# KiCad board Sydney-live-rail.kicad_pcb (continued)
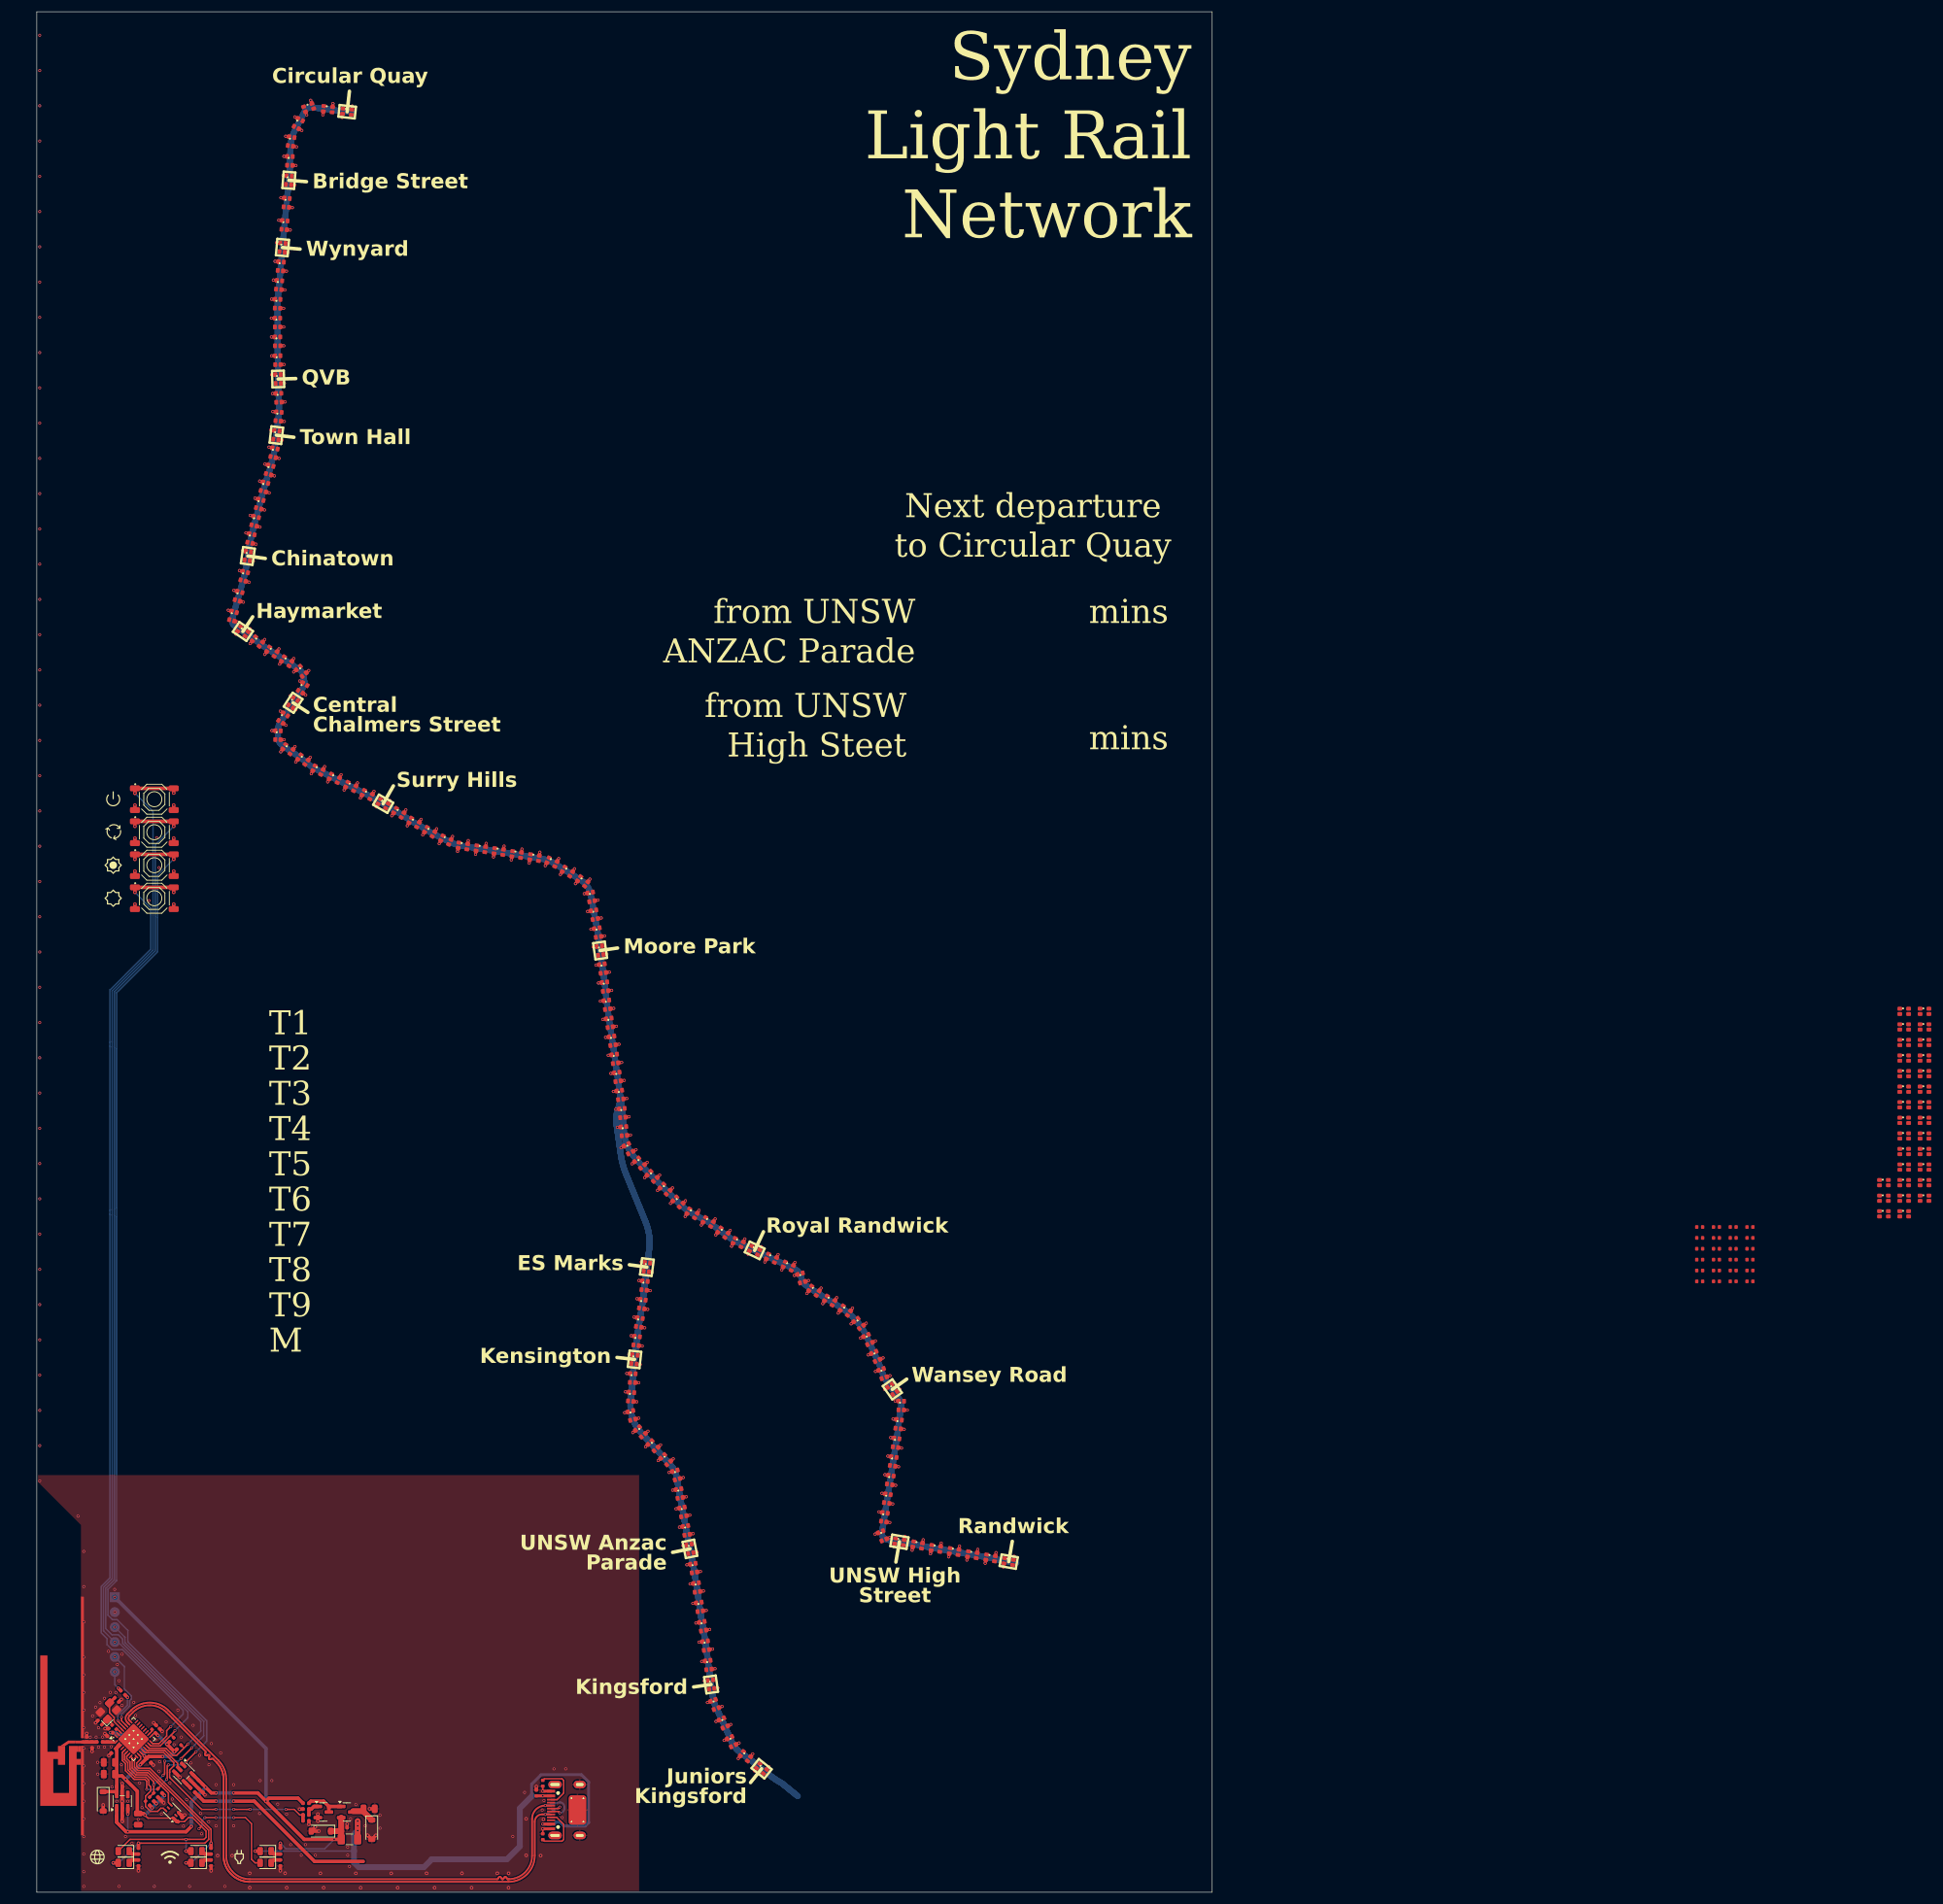
[diagram p0: board, top side]
## Nets (continued)
Net-(D138-DOUT): D138.1 D139.4
Net-(D139-DOUT): D139.1 D140.4
Net-(D140-DOUT): D140.1 D141.4
Net-(D141-DOUT): D141.1 D142.4
Net-(D142-DOUT): D142.1 D143.4
Net-(D143-DOUT): D143.1 D144.4
Net-(D144-DOUT): D144.1 D145.4
Net-(D145-DOUT): D145.1 D146.4
Net-(D146-DOUT): D146.1 D147.4
Net-(D147-DOUT): D147.1 D148.4
Net-(D148-DOUT): D148.1 D149.4
Net-(D149-DOUT): D149.1 D150.4
Net-(D150-DOUT): D150.1 D151.4
Net-(D151-DOUT): D151.1 D152.4
Net-(D152-DOUT): D152.1 D153.4
Net-(D153-DOUT): D153.1 D154.4
Net-(D154-DOUT): D154.1 D155.4
Net-(D155-DOUT): D155.1 D156.4
Net-(D156-DOUT): D156.1 D157.4
Net-(D157-DOUT): D157.1 D158.4
Net-(D158-DOUT): D158.1 D159.4
Net-(D159-DOUT): D159.1 D160.4
Net-(D160-DOUT): D160.1 D161.4
Net-(D161-DOUT): D161.1 D162.4
Net-(D162-DOUT): D162.1 D163.4
Net-(D163-DOUT): D163.1 D164.4
Net-(D164-DOUT): D164.1 D165.4
Net-(D165-DOUT): D165.1 D166.4
Net-(D166-DOUT): D166.1 D167.4
Net-(D167-DOUT): D167.1 D168.4
Net-(D168-DOUT): D168.1 D169.4
Net-(D169-DOUT): D169.1 D170.4
Net-(D170-DOUT): D170.1 D171.4
Net-(D171-DOUT): D171.1 D172.4
Net-(D172-DOUT): D172.1 D173.4
Net-(D173-DOUT): D173.1 D174.4
Net-(D174-DOUT): D174.1 D175.4
Net-(D175-DOUT): D175.1 D176.4
Net-(D176-DOUT): D176.1 D177.4
Net-(D177-DOUT): D177.1 D178.4
Net-(D178-DOUT): D178.1 D179.4
Net-(D179-DOUT): D179.1 D180.4
Net-(D180-DOUT): D180.1 D181.4
Net-(D181-DOUT): D181.1 D182.4
Net-(D182-DOUT): D182.1 D183.4
Net-(D183-DOUT): D183.1 D184.4
Net-(D184-DOUT): D184.1 D185.4
Net-(D185-DOUT): D185.1 D186.4
Net-(D186-DOUT): D186.1 D187.4
Net-(D187-DOUT): D187.1 D188.4
Net-(D188-DOUT): D188.1 D189.4
Net-(D189-DOUT): D189.1 D190.4
Net-(D190-DOUT): D190.1 D191.4
Net-(D191-DOUT): D191.1 D192.4
Net-(D192-DOUT): D192.1 D193.4
Net-(D193-DOUT): D193.1 D194.4
Net-(D194-DOUT): D194.1 D195.4
Net-(D195-DOUT): D195.1 D196.4
Net-(D196-DOUT): D196.1 D197.4
Net-(D197-DOUT): D197.1 D198.4
Net-(D198-DOUT): D198.1 D199.4
Net-(D199-DOUT): D199.1 D200.4
Net-(D200-DOUT): D200.1 D201.4
Net-(D201-DOUT): D201.1 D202.4
Net-(D202-DOUT): D202.1 D203.4
Net-(D203-DOUT): D203.1 D204.4
Net-(D204-DOUT): D204.1 D205.4
Net-(D205-DOUT): D205.1 D206.4
Net-(D206-DOUT): D206.1 D207.4
Net-(D207-DOUT): D207.1 D208.4
Net-(D208-DOUT): D208.1 D209.4
Net-(D209-DOUT): D209.1 D210.4
Net-(D210-DOUT): D210.1 D211.4
Net-(D211-DOUT): D211.1 D212.4
Net-(D212-DOUT): D212.1 D213.4
Net-(D213-DOUT): D213.1 D214.4
Net-(D214-DOUT): D214.1 D215.4
Net-(D215-DOUT): D215.1 D216.4
Net-(D216-DOUT): D216.1 D217.4
Net-(D217-DOUT): D217.1 D218.4
Net-(D218-DOUT): D218.1 D219.4
Net-(D219-DOUT): D219.1 D220.4
Net-(D220-DOUT): D220.1 D221.4
Net-(D221-DOUT): D221.1 D222.4
Net-(D222-DOUT): D222.1 D223.4
Net-(D223-DOUT): D223.1 D224.4
Net-(D224-DOUT): D224.1 D225.4
Net-(D225-DOUT): D225.1 D226.4
Net-(D226-DOUT): D226.1 D227.4
Net-(D227-DOUT): D227.1 D228.4
Net-(D228-DOUT): D228.1 D229.4
Net-(D229-DOUT): D229.1 D230.4
Net-(D230-DOUT): D230.1 D231.4
Net-(D231-DOUT): D231.1 D232.4
Net-(D232-DOUT): D232.1 D233.4
Net-(D233-DOUT): D233.1 D234.4
Net-(D234-DOUT): D234.1 D235.4
Net-(D235-DOUT): D235.1 D236.4
Net-(D236-DOUT): D236.1 D237.4
Net-(D237-DOUT): D237.1 D238.4
Net-(D238-DOUT): D238.1 D239.4
Net-(D239-DOUT): D239.1 D240.4
Net-(D240-DOUT): D240.1 D241.4
Net-(D241-DOUT): D241.1 D242.4
Net-(D242-DOUT): D242.1 D243.4
Net-(D243-DOUT): D243.1 D244.4
Net-(D244-DOUT): D244.1 D245.4
Net-(D245-DOUT): D245.1 D246.4
Net-(D246-DOUT): D246.1 D247.4
Net-(D247-DOUT): D247.1 D248.4
Net-(D248-DOUT): D248.1 D249.4
Net-(D249-DOUT): D249.1 D250.4
Net-(D250-DOUT): D250.1 D251.4
Net-(D251-DOUT): D251.1 D252.4
Net-(D252-DOUT): D252.1 D253.4
Net-(D253-DOUT): D253.1 D254.4
Net-(D254-DOUT): D254.1 D255.4
Net-(D255-DOUT): D255.1 D256.4
Net-(D256-DOUT): D256.1 D257.4
Net-(D257-DOUT): D257.1 D258.4
Net-(D258-DOUT): D258.1 D259.4
Net-(D259-DOUT): D259.1 D260.4
Net-(D260-DOUT): D260.1 D261.4
Net-(D261-DOUT): D261.1 D262.4
Net-(D262-DOUT): D262.1 D263.4
Net-(D263-DOUT): D263.1 D264.4
Net-(D264-DOUT): D264.1 D265.4
Net-(D265-DOUT): D265.1 D266.4
Net-(Q1-G): Q1.1 Q2.3 R16.2
Net-(Q2-B): C35.1 Q2.1 R18.2
Net-(U2-U0TXD): R7.2 U2.28
Net-(U2-XTAL_N): C19.2 U2.29 X1.3
Net-(U2-XTAL_P): L5.2 U2.30
Net-(U4-CC1): R13.1 U4.A5
Net-(U4-CC2): R14.1 U4.B5
Net-(U5-Y): R15.2 U5.4

Pads without a net: D266 1; U1 4; U2 4 19 20 21 22 23 24; U3 2 5; U4 A8 B8; U5 1

## Via types
v1: diameter 0.5, hole 0.3, Top to Bottom, 543 vias
v2: diameter 0.6, hole 0.3, Top to Bottom, 23 vias

## Routing (per net, layer and track width the routed paths; a pad name or vN(x,y) marks a point on that pad's centre or on a via; arc(x,y) is an arc through that point)
+3V3: length 104.2
  Top w0.25: D8.2 37.15,5 36.54,5.61 36.54,11.66 35.5,12.7 v1(33.5,12.7) ; 28,11.2 26.5,12.7 25.8,12.7 25.12,12.02 C16.1 ; 28,11.2 v1(27.6,10.8) ; 28,11.2 28.8,10.4 28.8,9.35 28.45,9 v1(25.4,9) 15.86,9 D10.2 ; v1(30.5,12.7) v1(28.6,12.7) ; U3.1 18.92,12.62 v1(18.4,13.14) ; U2.17 19.98,27.1 C8.1 ; 18.3,23.17 U2.11
  Top w0.6: R1.1 v1(22.17,25.17) v1(23.42,23.92) R2.1 ; v1(17.6,21.7) 18.67,22.77 C9.1 ; 14.06,25.07 13.6,24.61 13.6,17.05 ; C8.1 v1(20.6,26.7) ; v1(21.4,23.1) 19.04,23.1 C9.1 ; 13.4,20 C5.1 ; v1(18.4,13.14) 18.14,13.4 C17.1 17.1,13.55 17.1,17.2 v1(15.1,19.2) 14.5,19.8 13.54,19.8 ; C16.1 23.81,12.02 U3.1 ; R5.1 v1(21.73,16.47) ; C9.1 v1(18.28,23.19) ; U1.5 13.6,16.65 ; D1.1 13.59,17.12 ; R3.1 v1(19.63,14.37) ; R4.1 v1(20.33,15.07) ; D11.2 v1(25.37,7)
  Bottom w0.25: v1(28.6,12.7) 28.1,12.2 28.1,11.3 v1(27.6,10.8) ; v1(30.5,12.7) v1(33.5,12.7) ; v1(25.37,7) 25.4,7.03 v1(25.4,9)
  Bottom w0.6: v1(23.42,23.92) 22.6,23.1 v1(21.4,23.1) ; v1(21.73,16.47) v1(19.63,14.37) v1(18.4,13.14) ; v1(17.6,21.7) v1(15.1,19.2) ; v1(22.17,25.17) 20.64,26.7 v1(20.6,26.7) ; v1(12.54,27.14) 12.57,27.14 12.58,27.15 13.45,27.15 13.75,26.85 15.38,26.85 18.28,23.95 v1(18.28,23.19)
+5V: length 229.8
  Top w0.5: D129.2 v1(32.58,218.16) ; D128.2 v1(33.54,221.55) ; D130.2 v1(33.86,214.09) ; D127.2 v1(34.47,224.92) ; D126.2 v1(34.98,228.28) ; D125.2 v1(35.58,231.33) ; D131.2 v1(36.3,212.48) ; D124.2 v1(36.33,234.29) ; D123.2 v1(37.12,237.22) ; D122.2 v1(37.92,240.14) ; D132.2 v1(38.8,210.64) ; D121.2 v1(38.81,243.02) ; D120.2 v1(39.51,245.91) ; D119.2 v1(39.81,248.82) ; D113.2 v1(39.91,267.86) ; D114.2 v1(39.92,264.66) ; D115.2 v1(39.95,261.44) ; D112.2 v1(39.95,271.09) ; D116.2 v1(40,258.23) ; D138.2 v1(40,197.66) ; D117.2 v1(40.1,255.03) ; D118.2 v1(40.16,251.97) ; D111.2 v1(40.25,274.35) ; D110.2 v1(40.54,277.53) ; D109.2 v1(40.83,280.72) ; D133.2 v1(41.32,208.99) ; D108.2 v1(41.17,284.54) ; D139.2 v1(41.51,194.07) ; D137.2 v1(41.44,200.99) ; D107.2 v1(41.54,288.35) ; D106.2 v1(41.91,292.15) ; D105.2 v1(42.04,295.4) ; D104.2 v1(42.35,298.82) ; D136.2 v1(43.14,203.61) ; D134.2 v1(43.71,207.65) ; D140.2 v1(44.06,192.35) ; D103.2 v1(43.92,302.11) ; D135.2 v1(44.74,206.12) ; D102.2 v1(46.6,304.93) ; D141.2 v1(46.7,190.34) ; D142.2 v1(49.5,188.95) ; D101.2 v1(50.4,304.38) ; D143.2 v1(52.29,187.57) ; D100.2 v1(53.67,303.95) ; D144.2 v1(55.07,186.2) ; D145.2 v1(57.76,184.69) ; D146.2 v1(60.41,183.18) ; D147.2 v1(63.04,181.48) ; D148.2 v1(65.68,179.93) ; D149.2 v1(68.47,178.44) ; D150.2 v1(71.6,177.13) ; D151.2 v1(74.65,176.64) ; D152.2 v1(77.7,176.17) ; D153.2 v1(80.74,175.68) ; D154.2 v1(83.78,175.15) ; D155.2 v1(86.52,174.69) ; D156.2 v1(89.09,173.19) ; D157.2 v1(91.65,171.63) ; D158.2 v1(93.15,169.92) ; D159.2 v1(93.72,166.89) ; D160.2 v1(94.29,163.88) ; D161.2 v1(94.71,160.85) ; D162.2 v1(95.14,157.78) ; D163.2 v1(95.56,154.73) ; D164.2 v1(95.9,151.63) ; D165.2 v1(96.31,148.54) ; D166.2 v1(96.78,145.47) ; D167.2 v1(97.23,142.42) ; D168.2 v1(97.66,139.34) ; D169.2 v1(98.1,136.26) ; D170.2 v1(98.53,133.25) ; D171.2 v1(98.8,130.17) ; D172.2 v1(99.41,126.71) ; D216.2 v1(100.02,81.6) ; D215.2 v1(100.15,85.16) ; D214.2 v1(100.38,88.29) ; D213.2 v1(100.75,91.54) ; D212.2 v1(101.12,94.7) ; D173.2 v1(101.29,123.96) ; D217.2 v1(101.42,78.22) ; D211.2 v1(101.61,97.87) ; D210.2 v1(102.12,101) ; D209.2 v1(102.45,104.09) ; D208.2 v1(102.87,107.26) ; D174.2 v1(103.43,121.61) ; D218.2 v1(103.58,75.82) ; D175.2 v1(105.63,119.42) ; D219.2 v1(105.73,73.46) ; D220.2 v1(107.58,71.44) ; D176.2 v1(107.83,117.23) ; D221.2 v1(108.19,68.42) ; D222.2 v1(108.77,65.25) ; D223.2 v1(109.35,62.12) ; D224.2 v1(109.96,58.96) ; D177.2 v1(110.33,115) ; D225.2 v1(110.62,55.73) ; D226.2 v1(111.16,52.46) ; D227.2 v1(111.63,49.16) ; D228.2 v1(112.15,45.81) ; D229.2 v1(112.7,42.57) ; D178.2 v1(113.07,113.54) ; D230.2 v1(113.14,39.28) ; D231.2 v1(113.59,35.95) ; D232.2 v1(114.11,32.28) ; D179.2 v1(115.52,111.86) ; D233.2 v1(115.56,29.06) ; D234.2 v1(116.95,25.85) ; D180.2 v1(118.22,109.93) ; D235.2 v1(119.36,22.75) ; D181.2 v1(121.03,108.6) ; D236.2 v1(122.09,20.67) ; D182.2 v1(123.89,107.25) ; D183.2 v1(126.75,105.91) ; D184.2 v1(128.89,104.97) ; D185.2 v1(131.04,101.9) ; D186.2 v1(133.74,100.17) ; D187.2 v1(136.37,98.56) ; D188.2 v1(138.56,96.73) ; D189.2 v1(140.17,94.3) ; D190.2 v1(141.47,91.44) ; D200.2 v1(142.63,60.94) ; D191.2 v1(142.7,88.63) ; D199.2 v1(143.31,64.72) ; D198.2 v1(143.8,67.89) ; D192.2 v1(144.28,85.58) ; D197.2 v1(144.3,71.05) ; D196.2 v1(144.8,74.22) ; D195.2 v1(145.29,77.37) ; D201.2 v1(145.86,58.73) ; D194.2 v1(145.7,80.53) ; D193.2 v1(146.07,83.6) ; D202.2 v1(148.94,58.21) ; D203.2 v1(152.06,57.6) ; D204.2 v1(155.17,57.07) ; D205.2 v1(158.27,56.53) ; D206.2 v1(161.37,55.98) ; D207.2 v1(164.46,55.36)
  Top w1: D4.1 55.5,13.8 53.83,13.8
  Bottom w0.5: 33.59,217.88 v1(32.58,218.16) ; 34.45,214.96 v1(33.86,214.09) ; 34.55,221.26 v1(33.54,221.55) ; 35.49,224.65 v1(34.47,224.92) ; 36.02,228.13 v1(34.98,228.28) ; 36.61,231.09 v1(35.58,231.33) ; 36.95,213.3 v1(36.3,212.48) ; 37.35,234.02 v1(36.33,234.29) ; 38.14,236.94 v1(37.12,237.22) ; 38.94,239.86 v1(37.92,240.14) ; 39.38,211.52 v1(38.8,210.64) ; 39.82,242.75 v1(38.81,243.02) ; 40.53,245.68 v1(39.51,245.91) ; 40.85,248.69 v1(39.81,248.82) ; 40.96,267.86 v1(39.91,267.86) ; 40.97,264.66 v1(39.92,264.66) ; 41,261.46 v1(39.95,261.44) ; 41,271.06 v1(39.95,271.09) ; 41.05,258.26 v1(40,258.23) ; 41.05,197.64 v1(40,197.66) ; 41.15,255.06 v1(40.1,255.03) ; 41.21,251.87 v1(40.16,251.97) ; 41.3,274.25 v1(40.25,274.35) ; 41.58,277.44 v1(40.54,277.53) ; 41.87,280.63 v1(40.83,280.72) ; 41.89,209.87 v1(41.32,208.99) ; 42.11,194.93 v1(41.51,194.07) ; 42.22,284.44 v1(41.17,284.54) ; 42.32,200.42 v1(41.44,200.99) ; 42.58,288.26 v1(41.54,288.35) ; 42.95,292.07 v1(41.91,292.15) ; 43.09,295.37 v1(42.04,295.4) ; 43.39,298.66 v1(42.35,298.82) ; 44.02,203.04 v1(43.14,203.61) ; 44.51,208.34 v1(43.71,207.65) ; 44.69,193.19 v1(44.06,192.35) ; 44.85,301.63 v1(43.92,302.11) ; 45.64,205.57 v1(44.74,206.12) ; 46.97,303.94 v1(46.6,304.93) ; 47.17,191.28 v1(46.7,190.34) ; 49.96,189.89 v1(49.5,188.95) ; 50.29,303.34 v1(50.4,304.38) ; 52.76,188.51 v1(52.29,187.57) ; 53.56,302.91 v1(53.67,303.95) ; 55.56,187.12 v1(55.07,186.2) ; 58.29,185.6 v1(57.76,184.69) ; 60.97,184.07 v1(60.41,183.18) ; 63.56,182.4 v1(63.04,181.48) ; 66.21,180.83 v1(65.68,179.93) ; 68.93,179.38 v1(68.47,178.44) ; 71.77,178.17 v1(71.6,177.13) ; 74.82,177.68 v1(74.65,176.64) ; 77.86,177.21 v1(77.7,176.17) ; 80.91,176.71 v1(80.74,175.68) ; 83.95,176.19 v1(83.78,175.15) ; 86.99,175.63 v1(86.52,174.69) ; 89.66,174.08 v1(89.09,173.19) ; 92.29,172.46 v1(91.65,171.63) ; 94.18,170.11 v1(93.15,169.92) ; 94.75,167.08 v1(93.72,166.89) ; 95.32,164.05 v1(94.29,163.88) ; 95.74,160.99 v1(94.71,160.85) ; 96.18,157.92 v1(95.14,157.78) ; 96.61,154.85 v1(95.56,154.73) ; 96.94,151.77 v1(95.9,151.63) ; 97.35,148.69 v1(96.31,148.54) ; 97.82,145.63 v1(96.78,145.47) ; 98.27,142.56 v1(97.23,142.42) ; 98.7,139.49 v1(97.66,139.34) ; 99.14,136.42 v1(98.1,136.26) ; 99.57,133.35 v1(98.53,133.25) ; 99.84,130.26 v1(98.8,130.17) ; 100.34,127.2 v1(99.41,126.71) ; 101.04,81.86 v1(100.02,81.6) ; 101.2,85.06 v1(100.15,85.16) ; 101.43,88.24 v1(100.38,88.29) ; 101.79,91.42 v1(100.75,91.54) ; 102.08,124.64 v1(101.29,123.96) ; 102.17,94.57 v1(101.12,94.7) ; 102.22,78.91 v1(101.42,78.22) ; 102.65,97.7 v1(101.61,97.87) ; 103.16,100.83 v1(102.12,101) ; 103.49,103.98 v1(102.45,104.09) ; 103.91,107.12 v1(102.87,107.26) ; 104.17,122.36 v1(103.43,121.61) ; 104.35,76.53 v1(103.58,75.82) ; 106.37,120.17 v1(105.63,119.42) ; 106.51,74.16 v1(105.73,73.46) ; 108.57,117.98 v1(107.83,117.23) ; 108.6,71.73 v1(107.58,71.44) ; 109.23,68.6 v1(108.19,68.42) ; 109.8,65.45 v1(108.77,65.25) ; 110.38,62.31 v1(109.35,62.12) ; 110.86,115.9 v1(110.33,115) ; 110.99,59.17 v1(109.96,58.96) ; 111.65,55.9 v1(110.62,55.73) ; 112.2,52.61 v1(111.16,52.46) ; 112.67,49.3 v1(111.63,49.16) ; 113.18,46.01 v1(112.15,45.81) ; 113.6,114.44 v1(113.07,113.54) ; 113.74,42.71 v1(112.7,42.57) ; 114.19,39.41 v1(113.14,39.28) ; 114.63,36.1 v1(113.59,35.95) ; 115.1,32.65 v1(114.11,32.28) ; 116.16,112.69 v1(115.52,111.86) ; 116.52,29.49 v1(115.56,29.06) ; 117.9,26.3 v1(116.95,25.85) ; 118.67,110.88 v1(118.22,109.93) ; 119.99,23.59 v1(119.36,22.75) ; 121.47,109.55 v1(121.03,108.6) ; 122.75,21.49 v1(122.09,20.67) ; 124.33,108.2 v1(123.89,107.25) ; 127.19,106.86 v1(126.75,105.91) ; 129.9,105.25 v1(128.89,104.97) ; 131.62,102.77 v1(131.04,101.9) ; 134.28,101.07 v1(133.74,100.17) ; 136.98,99.41 v1(136.37,98.56) ; 139.39,97.37 v1(138.56,96.73) ; 141.12,94.74 v1(140.17,94.3) ; 142.43,91.87 v1(141.47,91.44) ; 143.6,61.34 v1(142.63,60.94) ; 143.69,88.97 v1(142.7,88.63) ; 144.34,64.56 v1(143.31,64.72) ; 144.84,67.72 v1(143.8,67.89) ; 145.13,86.19 v1(144.28,85.58) ; 145.34,70.89 v1(144.3,71.05) ; 145.84,74.05 v1(144.8,74.22) ; 146.04,59.77 v1(145.86,58.73) ; 146.33,77.22 v1(145.29,77.37) ; 146.74,80.4 v1(145.7,80.53) ; 147.12,83.57 v1(146.07,83.6) ; 149.15,59.24 v1(148.94,58.21) ; 152.24,58.64 v1(152.06,57.6) ; 155.35,58.1 v1(155.17,57.07) ; 158.45,57.56 v1(158.27,56.53) ; 161.56,57.02 v1(161.37,55.98) ; 164.64,56.39 v1(164.46,55.36)
GND: length 126.4
  Top w0.25: R14.2 v1(86.1,17.2) ; R13.2 v1(86.1,10.8)
  Top w0.5: D129.3 v1(34.2,216.15) ; D128.3 v1(35.15,219.53) ; D127.3 v1(36.12,222.93) ; D130.3 v1(36.28,215) ; D126.3 v1(36.84,226.5) ; D125.3 v1(37.3,229.4) ; D124.3 v1(37.98,232.31) ; D123.3 v1(38.76,235.22) ; D131.3 v1(38.78,213.18) ; D122.3 v1(39.55,238.13) ; D121.3 v1(40.44,241.02) ; D120.3 v1(41.23,243.99) ; D132.3 v1(41.21,211.58) ; D119.3 v1(41.72,247.08) ; D112.3 v1(42,269.53) ; D113.3 v1(42.02,266.36) ; D114.3 v1(42.03,263.17) ; D138.3 v1(42.07,196.12) ; 41.47,259.97 v1(42.07,259.98) ; D118.3 v1(42.12,250.28) ; D116.3 v1(42.13,256.79) ; D111.3 v1(42.2,272.66) ; D117.3 v1(42.25,253.6) ; D137.3 v1(42.39,198.59) ; D110.3 v1(42.49,275.85) ; D109.3 v1(42.78,279.04) ; D108.3 v1(43.13,282.85) ; D107.3 v1(43.5,286.67) ; D106.3 v1(43.88,290.49) ; D133.3 v1(43.72,209.94) ; D105.3 v1(44.1,293.84) ; D136.3 v1(44.09,201.21) ; D139.3 v1(43.94,194.95) ; D104.3 v1(44.19,297.01) ; D103.3 v1(45.09,299.81) ; D135.3 v1(45.76,203.75) ; D102.3 v1(45.92,302.44) ; D134.3 v1(46.28,207.89) ; D140.3 v1(46.52,193.12) ; D141.3 v1(48.98,191.55) ; D101.3 v1(48.68,302.46) ; D142.3 v1(51.77,190.17) ; D100.3 v1(51.96,302.03) ; D143.3 v1(54.57,188.78) ; D144.3 v1(57.38,187.35) ; D145.3 v1(60.11,185.77) ; D146.3 v1(62.79,184.17) ; D147.3 v1(65.38,182.57) ; D148.3 v1(68.04,180.96) ; D149.3 v1(70.74,179.66) ; D150.3 v1(73.42,178.96) ; D151.3 v1(76.46,178.48) ; D152.3 v1(79.51,178.01) ; D153.3 v1(82.56,177.51) ; D154.3 v1(85.6,176.98) ; D155.3 v1(88.8,175.9) ; D156.3 v1(91.49,174.16) ; D157.3 v1(94.12,172.4) ; D158.3 v1(95.49,168.84) ; D159.3 v1(96.05,165.8) ; D160.3 v1(96.61,162.74) ; D161.3 v1(97,159.66) ; D162.3 v1(97.43,156.59) ; D163.3 v1(97.82,153.48) ; D164.3 v1(98.17,150.41) ; D165.3 v1(98.62,147.37) ; D166.3 v1(99.08,144.3) ; D167.3 v1(99.51,141.21) ; D168.3 v1(99.95,138.15) ; D169.3 v1(100.4,135.08) ; D170.3 v1(100.76,131.95) ; D171.3 v1(101.02,128.85) ; D172.3 v1(101.96,126.35) ; D215.3 v1(102.1,83.46) ; D214.3 v1(102.42,86.7) ; D216.3 v1(102.43,80.67) ; D213.3 v1(102.67,89.81) ; D212.3 v1(103.01,92.95) ; D211.3 v1(103.44,96.05) ; D210.3 v1(103.96,99.18) ; D173.3 v1(103.86,124.2) ; D217.3 v1(103.99,78.45) ; D209.3 v1(104.38,102.38) ; D208.3 v1(104.75,105.5) ; D174.3 v1(105.98,122.04) ; D218.3 v1(106.14,76.12) ; D175.3 v1(108.17,119.85) ; D219.3 v1(108.29,73.76) ; D220.3 v1(110.01,70.56) ; D221.3 v1(110.51,67.29) ; D176.3 v1(110.37,117.67) ; D222.3 v1(111.12,64.18) ; D223.3 v1(111.68,61.02) ; D224.3 v1(112.31,57.91) ; D225.3 v1(112.93,54.59) ; D177.3 v1(112.69,116.04) ; D226.3 v1(113.45,51.27) ; D227.3 v1(113.92,47.97) ; D228.3 v1(114.49,44.72) ; D229.3 v1(114.99,41.38) ; D230.3 v1(115.41,38.05) ; D178.3 v1(115.43,114.59) ; D231.3 v1(115.88,34.76) ; D232.3 v1(116.61,31.62) ; D233.3 v1(118.09,28.55) ; D179.3 v1(117.98,112.61) ; D234.3 v1(119.49,25.4) ; D180.3 v1(120.48,111.17) ; D235.3 v1(121.82,23.54) ; D181.3 v1(123.28,109.86) ; D236.3 v1(124.57,21.37) ; D182.3 v1(126.14,108.52) ; D183.3 v1(129,107.18) ; D184.3 v1(131.31,104.09) ; D185.3 v1(133.45,102.81) ; D186.3 v1(136.11,101.18) ; D187.3 v1(138.81,99.39) ; D188.3 v1(141.14,96.84) ; D189.3 v1(142.7,93.82) ; D190.3 v1(144,90.93) ; D199.3 v1(145.15,62.91) ; D200.3 v1(145.14,60.36) ; D191.3 v1(145.17,87.9) ; D198.3 v1(145.65,66.08) ; D197.3 v1(146.15,69.24) ; D196.3 v1(146.64,72.41) ; D192.3 v1(146.86,85.57) ; D195.3 v1(147.15,75.58) ; D194.3 v1(147.59,78.78) ; D193.3 v1(148.13,82.05) ; D201.3 v1(147.7,60.55) ; D202.3 v1(150.83,59.97) ; D203.3 v1(153.9,59.42) ; D204.3 v1(157.01,58.88) ; D205.3 v1(160.11,58.34) ; D206.3 v1(163.21,57.79) ; D207.3 v1(166.3,57.17) ; v1(86.1,10.8) U4.B12A1 ; v1(86.1,17.2) U4.A12B1
  Top w0.6: C4.2 v1(12.27,23.27) ; D13.1 v1(8.5,27.03) ; v1(47.82,12.1) Q2.2 v1(47.82,13.3) ; C2.2 v1(52.8,11.6) ; S3.3 v1(16.7,168.15) ; v1(24.35,19.55) U5.3 ; S1.3 v1(16.7,185) ; C20.2 v1(9.99,28.84) ; v1(41.44,3.65) R9.2 ; S2.3 v1(16.7,173.77) ; R22.2 v1(17.3,3.65) ; C19.1 v1(14.4,32.83) ; C13.2 v1(85,18) ; C36.2 v1(11.57,27) ; R23.2 v1(29.66,3.65) ; 25.82,19.36 v1(28.61,16.56) ; C35.2 v1(44.7,14.15) ; v1(11.3,14.86) D1.2 ; C7.2 v1(11.61,27.85) ; v1(57.71,9.71) D4.2 v1(56.29,9.71) ; C8.2 v1(21.33,27.38) ; S4.4 v1(23.3,179.38) ; v1(48,10.4) D5.2 v1(47.41,11.11) ; S1.4 v1(23.3,185) ; v1(14.54,18.5) C3.2 v1(14.54,15.5) U1.2 14.54,12.06 v1(14.55,12.05) ; U3.3 24.73,12.94 C16.2 v1(25.16,13.15) ; C9.2 v1(19.84,21.64) ; C37.2 v1(9.4,23.97) ; R17.2 v1(46.3,11.55) ; S3.4 v1(23.3,168.15) ; v1(21.6,15.2) C14.2 ; S4.3 v1(16.7,179.38) ; C18.2 v1(56.6,14.2) ; C6.2 v1(19.88,28.83) ; S2.4 v1(23.3,173.77)
  vias: v1(0.5,316) v1(0.5,310) v1(0.5,304) v1(0.5,298) v1(0.5,292) v1(0.5,286) v1(0.5,280) v1(0.5,274) v1(0.5,268) v1(0.5,262) v1(0.5,256) v1(0.5,250) v1(0.5,244) v1(0.5,238) v1(0.5,232) v1(0.5,226) v1(0.5,220) v1(0.5,214) v1(0.5,208) v1(0.5,202) v1(0.5,196) v1(0.5,190) v1(0.5,184) v1(0.5,178) v1(0.5,172) v1(0.5,166) v1(0.5,160) v1(0.5,154) v1(0.5,148) v1(0.5,142) v1(0.5,136) v1(0.5,130) v1(0.5,124) v1(0.5,118) v1(0.5,112) v1(0.5,106) v1(0.5,100) v1(0.5,94) v1(0.5,88) v1(0.5,82) v1(0.5,76) v1(0.5,70) v1(7,64) v1(8,58) v1(8,52) v1(8,46) v1(8,40) v1(8,37) v1(8,34) v1(8,31) v1(8,28) v1(8,24.5) v1(8,21.5) v1(8,18.5) v1(8,15.5) v1(8,12.5) v1(8,9.5) v1(8,6.5) v1(8,3.5) v1(8,1) v1(9.1,26.4) v1(9.5,30) v1(10,31.5) v1(10.1,26.4) v1(10.36,22.1) v1(10.36,20.1) v1(10.5,28) v1(10.5,24.7) v1(10.75,32.25) v1(11.2,26.4) v1(11.5,33) v1(11.5,24.7) v1(12.2,41) v1(12.5,34) v1(12.67,24.77) v1(12.76,26.37) v1(12.8,17.9) v1(13.25,51.55) v1(13.27,47.66) v1(13.45,34) v1(13.6,15.5) v1(13.7,38.75) v1(14,36) v1(14,1) v1(14.4,21.7) v1(14.5,40.5) v1(14.5,31.8) v1(15.1,9.5) v1(15.5,15.5) v1(16.2,8.35) v1(16.5,32.3) v1(16.8,30.1) v1(17.25,12.4) v1(17.5,18.6) v1(17.9,14.4) v1(19.1,168.75) v1(20,1) v1(20.2,25.95) v1(20.4,179.45) v1(20.8,174.35) v1(20.8,20.6) v1(20.9,22.2) v1(21.2,13.3) v1(22,29) v1(22.65,18.6) v1(23.05,15.85) v1(23.35,25.1) v1(24,31) v1(24.6,26.4) v1(24.95,11.25) v1(25.5,15.75) v1(26,1) v1(26.2,22) v1(26.6,28.4) v1(27.7,23.3) v1(27.85,13.45) v1(28.05,9.95) v1(29.3,21.7) v1(29.25,12) v1(29.7,25.3) v1(30.5,18.3) v1(30.5,11.3) v1(31.3,23.7) v1(32,1) v1(33.5,18.3) v1(33.5,11.3) v1(37.9,13.4) v1(38,19) v1(40,19) v1(41,15) v1(42.5,13.3) v1(43.2,8.1) v1(45,6.3) v1(45.7,8.1) v1(47.4,6.3) v1(52.9,7.7) v1(52.9,6.3) v1(53.2,4.4) v1(53.4,12.5) v1(54.3,14.9) v1(55.9,11.3) v1(58.4,13.1) v1(58.4,10.9) v1(81,9.5) v1(83,17) v1(86,14) v1(86.3,15.6) v1(88,21) v1(89.4,12.7) v1(90,21) v2(30.77,6.23) v2(33.23,6.23) v2(36.23,3.23) v2(36.23,0.77) v2(42.25,3.23) v2(42.52,0.77) v2(48.27,3.23) v2(48.81,0.77) v2(54.29,3.23) v2(55.1,0.77) v2(60.3,3.23) v2(61.4,0.77) v2(66.32,3.23) v2(67.69,0.77) v2(72.34,3.23) v2(73.98,0.77) v2(78.36,3.23) v2(80.29,3.23) v2(80.27,0.77) v2(83.27,12.5) v2(83.27,6.28) v2(85.73,6.23) v2(86.2,12.4)
VBUS: length 127
  Top w0.6: v1(39,15.5) 45.5,9 F1.2 ; v1(39,15.5) 37.6,16.9 v1(33.5,16.9) ; v1(39,15.5) 39.5,16 44.45,16 R16.1 ; v1(30.5,16.9) 29.69,16.9 v1(28.75,17.85) U5.5 ; 13.59,12.41 13.59,11.91 15.2,10.3 v1(15.49,10.3) 25.4,10.3 v1(26.3,11.2) ; 13.59,12.41 U1.1 ; 13.59,12.41 13.59,12.81 ; U1.3 v1(15.49,13.31) ; R12.2 v1(41.44,8.35)
  Top w1: D5.1 51.8,10.4 ; 51.8,10.4 Q1.2 ; 51.8,10.4 F1.2
  Bottom w0.25: v1(15.49,10.3) v1(15.49,13.31) ; v1(50.6,9) 49,7.4 42.39,7.4 v1(41.44,8.35)
  Bottom w0.6: v1(39,15.5) 39,24.47 v1(13.27,50.2) ; v1(28.75,17.85) 26.3,15.4 v1(26.3,11.2) ; v1(33.5,16.9) v1(30.5,16.9)
VDD_SPI: length 1
  Top w0.25: C6.1 19.6,27.43 U2.18
/+BRIGHTNESS_BUTTON: length 195
  Top w0.25: v1(18.7,17.5) 18.7,18.9 18.39,19.21 16.57,19.21 16.48,19.3 16.47,19.3 15.09,20.69 15.09,21.89 14.55,22.43 14.55,23.79 U2.5 ; v1(22.4,21.67) 22.2,21.48 22.2,19.3 v1(22.1,19.2) ; v1(25.39,22.19) v1(27.1,23.9)
  Top w0.6: 23.3,175.77 v1(23.3,175.82) S2.2 S2.1 v1(16.7,175.77)
  Bottom w0.25: v1(22.4,21.67) 24.87,21.67 v1(25.39,22.19) ; v1(23.3,175.82) 20.53,173.05 20.53,160.03 13.58,153.08 13.58,143.52 13.58,143.52 13.58,116.48 13.58,116.48 13.58,114.92 13.58,114.92 13.58,53.03 12.09,51.54 12.09,47.17 12.87,46.4 13.65,46.4 15.5,44.55 15.5,42.6 28.9,29.2 28.9,25.7 v1(27.1,23.9) ; v1(18.7,17.5) 20.4,17.5 v1(22.1,19.2)
/-BRIGHTNESS_BUTTON: length 167.7
  Top w0.25: U2.16 19.71,25.3 20.8,25.3 22.1,26.6 22.1,27.5 v1(22.8,28.2)
  Top w0.6: v1(16.7,170.15) S3.1 S3.2 v1(23.3,170.15)
  Bottom w0.25: v1(16.7,170.15) 19.4,167.45 19.4,160.5 12.45,153.55 12.45,144.61 12.45,144.61 12.45,143.99 12.45,143.99 12.45,116.01 12.45,116.01 12.45,115.39 12.45,115.39 12.45,53.5 10.96,52.01 10.96,44.14 11.95,43.15 11.95,42.15 12.8,41.3 14.57,41.3 24.9,30.97 24.9,30.3 v1(22.8,28.2)
/Antenna: length 1.8
  Top w0.632: L1.1 13,25.57
/BOOT_IO9_BUTTON: length 186.1
  Top w0.25: v1(23.5,27.5) 23.5,27.4 21,24.9 19.41,24.9 U2.15 ; v1(23.3,187.05) 23.3,187 ; R1.2 22.85,26.75
  Top w0.6: 16.7,187 v1(16.7,187.05) S1.1 S1.2 v1(23.3,187.05)
  Bottom w0.25: v1(23.5,27.5) 25.7,29.7 25.7,30.7 13.82,42.58 v1(13.27,42.58) 11.34,44.51 11.34,51.86 12.82,53.34 12.82,115.23 12.83,115.23 12.83,116.17 12.82,116.17 12.82,143.83 12.83,143.83 12.83,144.77 12.82,153.39 19.78,160.34 19.78,167.61 19.78,167.61 19.78,178.39 19.78,183.92 16.7,187
/D+: length 113.7
  Top w0.25: U4.A6 88.75,13.75 arc(88.93,13.68) v1(89,13.5)
  Top w0.3: U4.B6 v1(86.52,14.75)
  Top w0.313: 80.15,2.23 80.36,2.23 arc(83.13,3.43) 84.27,6.23 84.27,12.5 arc(84.93,14.09) v1(86.52,14.75) ; 80.15,2.23 80.21,2.23 ; 80.15,2.23 arc(80.01,2.29) 79.95,2.43 arc(79.89,2.57) 79.75,2.63 79.68,2.63 arc(79.54,2.57) 79.48,2.43 arc(79.43,2.29) 79.29,2.23 79.22,2.23 arc(79.08,2.29) 79.02,2.43 arc(78.96,2.57) 78.82,2.63 78.76,2.63 arc(78.62,2.57) 78.56,2.43 arc(78.5,2.29) 78.36,2.23 36.23,2.23 arc(33.4,3.4) 32.23,6.23 32.23,19.25 arc(31.89,20.96) 30.92,22.4 22.36,30.96 arc(19.21,32.27) 16.05,30.96 15.38,30.29 arc(15.1,29.61) 15.38,28.92 U2.26
  Bottom w0.313: v1(86.52,14.75) 89,15.3 arc(89.57,15.07) 89.8,14.5 89.8,14.3 arc(89.57,13.73) v1(89,13.5)
/D-: length 109.5
  Top w0.25: U4.A7 88.75,14.25 arc(88.93,14.32) v1(89,14.5)
  Top w0.3: U4.B7 v1(86.52,13.25)
  Top w0.313: v1(86.52,13.25) 85.98,13.25 arc(85.1,12.88) 84.73,12 84.73,6.23 arc(83.42,3.08) 80.27,1.77 36.23,1.77 36.14,1.77 35.96,1.78 35.77,1.79 35.59,1.81 35.41,1.84 35.23,1.88 35.05,1.93 34.87,1.98 34.7,2.04 34.52,2.11 34.35,2.18 34.19,2.26 34.03,2.35 33.87,2.45 33.71,2.55 33.56,2.65 33.42,2.77 33.28,2.89 33.14,3.01 33.01,3.14 32.89,3.28 32.77,3.42 32.65,3.56 32.55,3.71 32.45,3.87 32.35,4.03 32.26,4.19 32.18,4.35 32.11,4.52 32.04,4.7 31.98,4.87 31.93,5.05 31.88,5.23 31.84,5.41 31.81,5.59 31.79,5.77 31.78,5.96 31.77,6.14 31.77,6.23 31.77,19.25 31.77,19.33 31.76,19.51 31.75,19.68 31.72,19.86 31.69,20.03 31.65,20.2 31.61,20.37 31.56,20.53 31.5,20.7 31.43,20.86 31.36,21.02 31.28,21.17 31.19,21.32 31.09,21.47 30.99,21.61 30.89,21.75 30.78,21.88 30.66,22.01 30.6,22.08 30,22.68 arc(29.83,22.74) 29.67,22.68 29.66,22.66 arc(29.49,22.59) 29.33,22.66 arc(29.26,22.83) 29.33,22.99 29.34,23 arc(29.41,23.17) 29.34,23.33 arc(29.18,23.4) 29.01,23.33 29,23.32 arc(28.84,23.25) 28.67,23.32 arc(28.6,23.48) 28.67,23.65 28.69,23.66 arc(28.75,23.82) 28.69,23.99 22.04,30.64 arc(19.21,31.81) 16.38,30.64 15.75,30 arc(15.59,29.63) 15.75,29.26 U2.25
  Bottom w0.313: v1(89,14.5) 86.52,13.25
/LED_DATA_3V3: length 7.7
  Top w0.25: U5.2 23.97,21.28 23.97,21.93 21.78,24.12 18.77,24.12 U2.13
/LED_POWER_ENABLE: length 35.3
  Top w0.25: v1(42.4,14.1) 43.8,14.1 44.75,13.15 R18.1 ; U2.12 18.38,23.8 18.55,23.8 18.61,23.75 21.61,23.75 23.3,22.06 23.3,21.5 22.61,20.81 22.61,20.45 22.6,20.44 22.6,19.56 22.71,19.45 22.71,19.44 28.05,14.1 v1(30.5,14.1) ; v1(36.3,14.1) v1(33.5,14.1)
  Top w0.6: R17.1 R18.1
  Bottom w0.25: v1(33.5,14.1) v1(30.5,14.1) ; v1(42.4,14.1) v1(36.3,14.1)
/MCU_RX: length 13.9
  Top w0.25: U2.27 14.41,29.18 14.41,29.64 14.42,29.65 v1(14.42,29.8)
  Bottom w0.25: v1(14.42,29.8) 14.42,30.29 15.8,31.66 15.8,32.59 16.1,32.9 16.1,33.4 14.9,34.6 14.9,38.41 v1(13.27,40.04)
/MCU_TX: length 3.6
  Top w0.6: R7.1 v1(13.87,34.73)
  Bottom w0.25: v1(13.87,34.73) 13.27,35.33 v1(13.27,37.5)
/MODE_BUTTON: length 186.7
  Top w0.25: U2.14 19.04,24.56 19.04,24.56 19.1,24.5 21.98,24.5 23.18,23.3 23.8,23.3 v1(25.75,25.25) ; R2.2 25.05,24.55
  Top w0.6: v1(23.3,181.38) S4.2 S4.1 v1(16.7,181.38)
  Bottom w0.25: v1(23.3,181.38) 20.15,178.24 20.15,160.19 13.2,153.24 13.2,143.68 13.2,143.68 13.2,116.32 13.2,116.32 13.2,115.08 13.2,115.08 13.2,53.18 11.72,51.7 11.72,44.88 12.8,43.8 13.9,43.8 14.6,43.1 14.6,42.37 27.9,29.07 27.9,27.4 v1(25.75,25.25)
/Reset: length 48.7
  Top w0.25: R4.2 C14.1 v1(19.9,18.3) 19.9,18.8 18.74,19.96 16.88,19.96 15.86,20.98 15.86,22.18 15.3,22.74 15.3,23.13 U2.7 ; v1(21.75,22.32) 21.75,20.15 v1(21.5,19.9) ; v1(24.53,22.73) v1(26.4,24.6)
  Bottom w0.25: v1(21.75,22.32) 24.12,22.32 v1(24.53,22.73) ; v1(26.4,24.6) 28.4,26.6 28.4,29.1 15,42.5 15,43.39 v1(13.27,45.12) ; v1(19.9,18.3) v1(21.5,19.9)
/SCL: length 13.8
  Top w0.25: U3.4 22.4,15.27 22.4,16.86 20.54,18.72 ; U2.8 16.24,22.83 16.24,21.14 17.04,20.34 18.92,20.34 20.54,18.72 ; R5.2 21.13,18.13 20.54,18.72
/SDA: length 16.8
  Top w0.25: U3.6 21.53,14.3 21.1,14.3 20.56,13.76 19.34,13.76 18.5,14.6 R3.2 18.5,16.36 19.41,17.26 19.41,17.93 19.08,18.26 19.08,19.06 18.55,19.59 16.72,19.59 15.48,20.82 15.48,22.02 14.92,22.58 14.92,23.46 U2.6
/SERVER_LED: length 40.2
  Top w0.25: v1(17.3,8.35) 28.6,8.35 29.25,9 29.25,10.55 19.08,20.72 17.19,20.72 16.62,21.29 16.62,22.75 U2.9
  Top w0.6: D9.2 v1(13.01,5) ; R8.1 v1(17.3,8.35)
  Bottom w0.25: v1(17.3,8.35) 13.95,5 v1(13.01,5)
  Bottom w0.6: 13,4.99 13,5.01 v1(13.01,5)
/WIFI_LED: length 29.3
  Top w0.25: v1(29.66,8.35) 29.66,10.69 19.26,21.09 17.35,21.09 16.99,21.45 16.99,21.99 17.67,22.67 17.67,23.09 U2.10
  Top w0.6: D12.2 v1(25.37,5) ; R21.1 v1(29.66,8.35)
  Bottom w0.25: v1(25.37,5) 26.31,5 v1(29.66,8.35)
LED_DATA_5V: length 33.5
  Top w0.6: 55.55,5.25 47.25,5.25 37,15.5 v1(33.5,15.5) ; v1(30.5,15.5) 28.41,15.5 R25.1 R15.1
  Bottom w0.6: v1(30.5,15.5) v1(33.5,15.5)
Net-(AE1-A): length 2.2
  Top w0.632: 8,25.57 L1.2
Net-(C13-Pad1): length 101.5
  Top w0.5: U4.A9B4 v1(86.1,16.4) C13.1 ; v1(86.1,11.6) U4.B9A4
  Top w0.6: D2.2 v1(37.15,7)
  Top w1: F1.1 v1(54.6,12.1)
  Bottom w0.25: v1(37.15,7) 53.97,7
  Bottom w0.5: v1(86.1,16.4) 84.3,16.4 84.2,16.5 84.2,18.4 85.8,20 92.67,20 93.9,18.77 93.9,11.87 93.3,11.27 89.68,11.27 89.03,11.92 88.37,11.92 88.05,11.6 v1(86.1,11.6)
  Bottom w1: 84.3,16.4 82.2,14.3 82.2,7.8 80,5.6 67.2,5.6 65.87,4.27 54.78,4.27 53.97,5.08 53.97,9.87 v1(54.6,10.5) v1(54.6,12.1)
  vias: v1(54.6,11.3)
Net-(C20-Pad1): length 2.6
  Top w0.25: 12.86,28.56 12.86,28.6 12.02,29.44 X1.1
  Top w0.5: C20.1 X1.1
Net-(D2-Pad1): length 1.8
  Top w0.6: D2.1 40.38,6.5 R12.1
Net-(D8-Pad1): length 1.8
  Top w0.6: R9.1 40.38,5.5 D8.1
Net-(D9-Pad1): length 1.8
  Top w0.6: R22.1 16.24,5.5 D9.1
Net-(D10-Pad1): length 1.8
  Top w0.6: R8.2 16.24,6.5 D10.1
Net-(D11-Pad1): length 1.8
  Top w0.6: D11.1 28.6,6.5 R21.2
Net-(D12-Pad1): length 1.8
  Top w0.6: R23.1 28.6,5.5 D12.1
Net-(Q1-G): length 7.1
  Top w0.6: Q2.3 49.7,14.38 ; 49.7,14.38 49.92,14.6 Q1.1 ; 49.7,14.38 49.7,14.6 48.8,15.5 46.65,15.5 R16.2
Net-(Q2-B): length 2.7
  Top w0.6: R18.2 C35.1 46.7,14.15 47.15,14.6 Q2.1
Net-(U2-U0TXD): length 6.9
  Top w0.25: v1(13.8,29.24) 13.8,29.09 U2.28
  Top w0.6: R7.2 v1(15.43,33.17)
  Bottom w0.25: v1(15.43,33.17) 15.42,33.15 15.42,31.82 13.8,30.2 v1(13.8,29.24)
Net-(U2-XTAL_N): length 6.8
  Top w0.25: X1.3 12.37,30.55 13.17,29.76 13.17,29.02 U2.29
  Top w0.5: X1.3 C19.2
Net-(U2-XTAL_P): length 0.8
  Top w0.25: U2.30 13.62,27.85
Net-(U4-CC1): length 9
  Top w0.25: R13.1 86.36,8.69 89.37,8.69 89.66,8.98 89.66,11.54 88.45,12.75 U4.A5
Net-(U4-CC2): length 8.5
  Top w0.25: U4.B5 88.52,15.75 89.66,16.88 89.66,19.02 89.37,19.31 86.36,19.31 R14.1
Net-(U5-Y): length 1.4
  Top w0.6: R15.2 U5.4

## Copper pours and planes (outline as drawn; the poured copper is in the pictures)
+3V3 on Top: 14.22,26.72 13.69,26.19 13.13,26.75 12.7,26.95 12.2,26.95 12.2,27.47 12.65,27.8 13.14,27.36 13.66,27.28
GND on Top: 0,320 0,309.93 0.53,309.54 0.89,309.57 0.89,309.56 1.06,309.58 1.45,309.68 1.76,309.78 1.97,309.94 2.25,310.54 2.34,310.8 2.44,311.19 2.55,311.48 2.6,311.62 2.63,311.77 2.64,312.51 2.63,313.04 2.64,313.38 2.42,314.3 2.2,315.2 2.03,315.85 1.49,317.66 1.4,317.93 1.2,318.46 1.06,319.11 0.9,319.77 0.83,320
GND on Top: outline of 98 points within 164.8,294.39 169.64,300.51
GND on Top: outline of 837 points within 0,0 200,320
GND on Top: 7.5,26.5 14.3,26.5 14.3,24.7 7.5,24.7
GND on Top: outline of 165 points within 194.64,270.27 200,290.24
GND on Top, Bottom: 7.5,-1 7.5,62.5 0,70 0,71 102.5,71 102.5,-1.08
GND on Bottom: 200,0 200,320 0,320 0,70 101.5,70 101.5,0

Small or netless copper shapes (teardrops, artwork), in the pictures only: 43 on Top, 49 on Bottom

## Text on the board
B.Silkscreen: Designed in Aotearoa, Made in Shenzhen | keastudios.co.nz/wlg-ltm-quick-start | Kea Studios | V1.0.0 / 08/2025 | +5V | GND | Reset | Boot | RX | TX
F.Silkscreen: Haymarket | Chinatown | Town Hall | QVB | Wynyard | Bridge Street | Central / Chalmers Street | Surry Hills | Moore Park | Royal Randwick | Wansey Road | UNSW High / Street | Circular Quay | Randwick | Kensington | ES Marks | UNSW Anzac / Parade | Kingsford | Juniors / Kingsford | T1 | T2 | T3 | T4 | T5 | T6 | T7 | T8 | T9 | M | mins | Next departure / to Circular Quay | from UNSW / High Steet | from UNSW / ANZAC Parade | Sydney / Light Rail / Network
